# KiCad board TooManyKeys.kicad_pcb
title: toomanykeys; date: 2025-06-06; rev: 0.1; company: huntercook
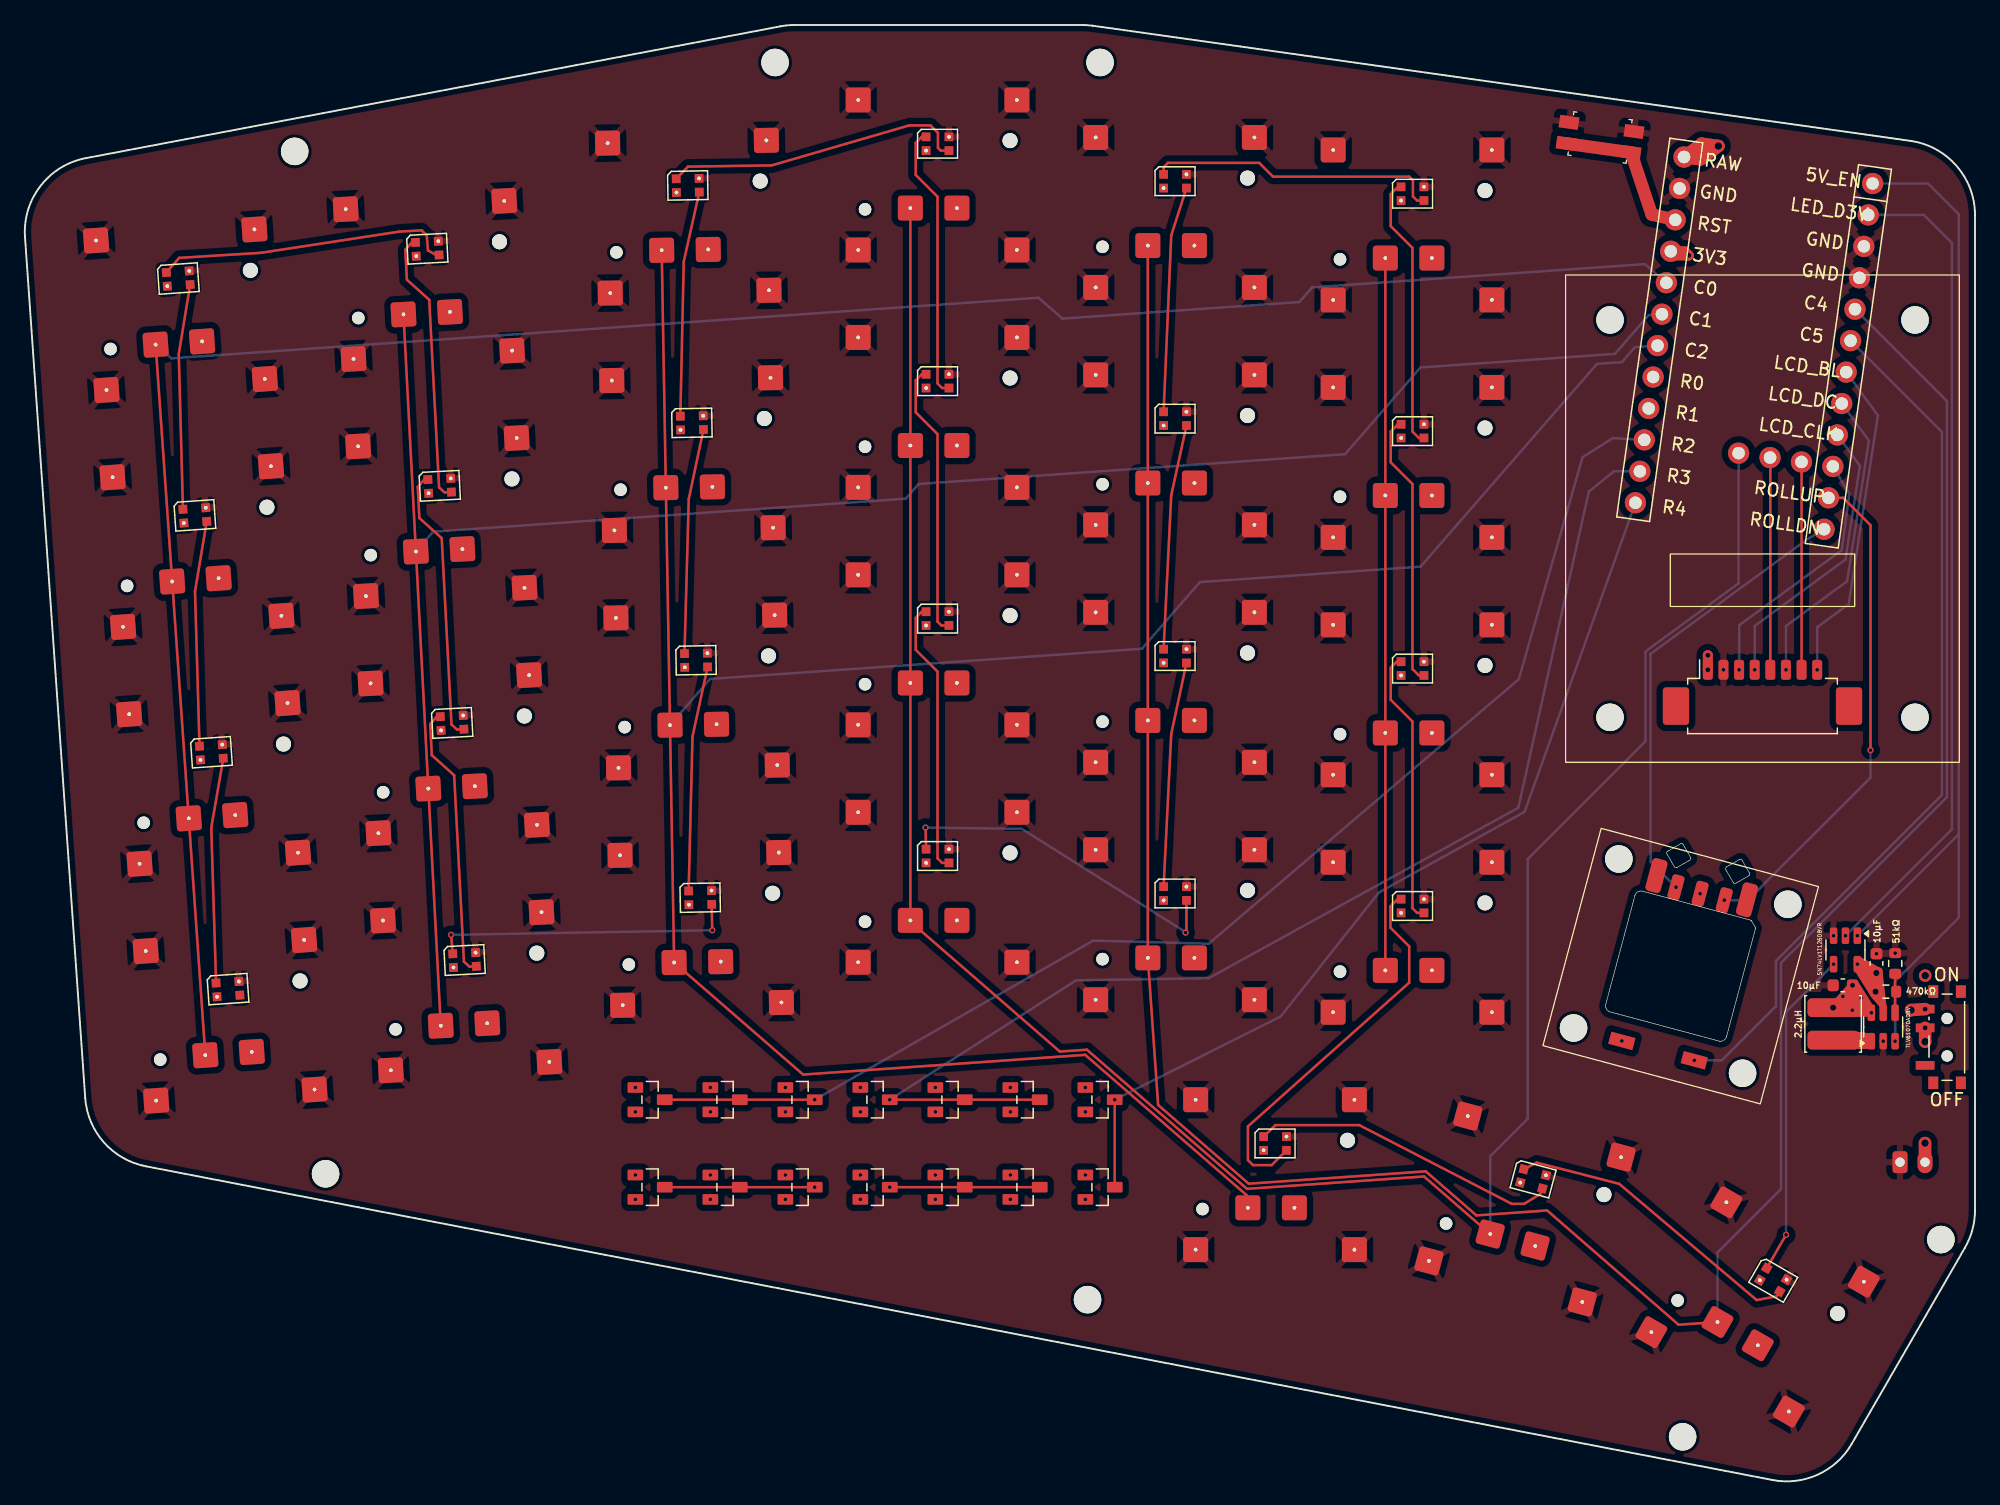
[diagram p0: board, top side]
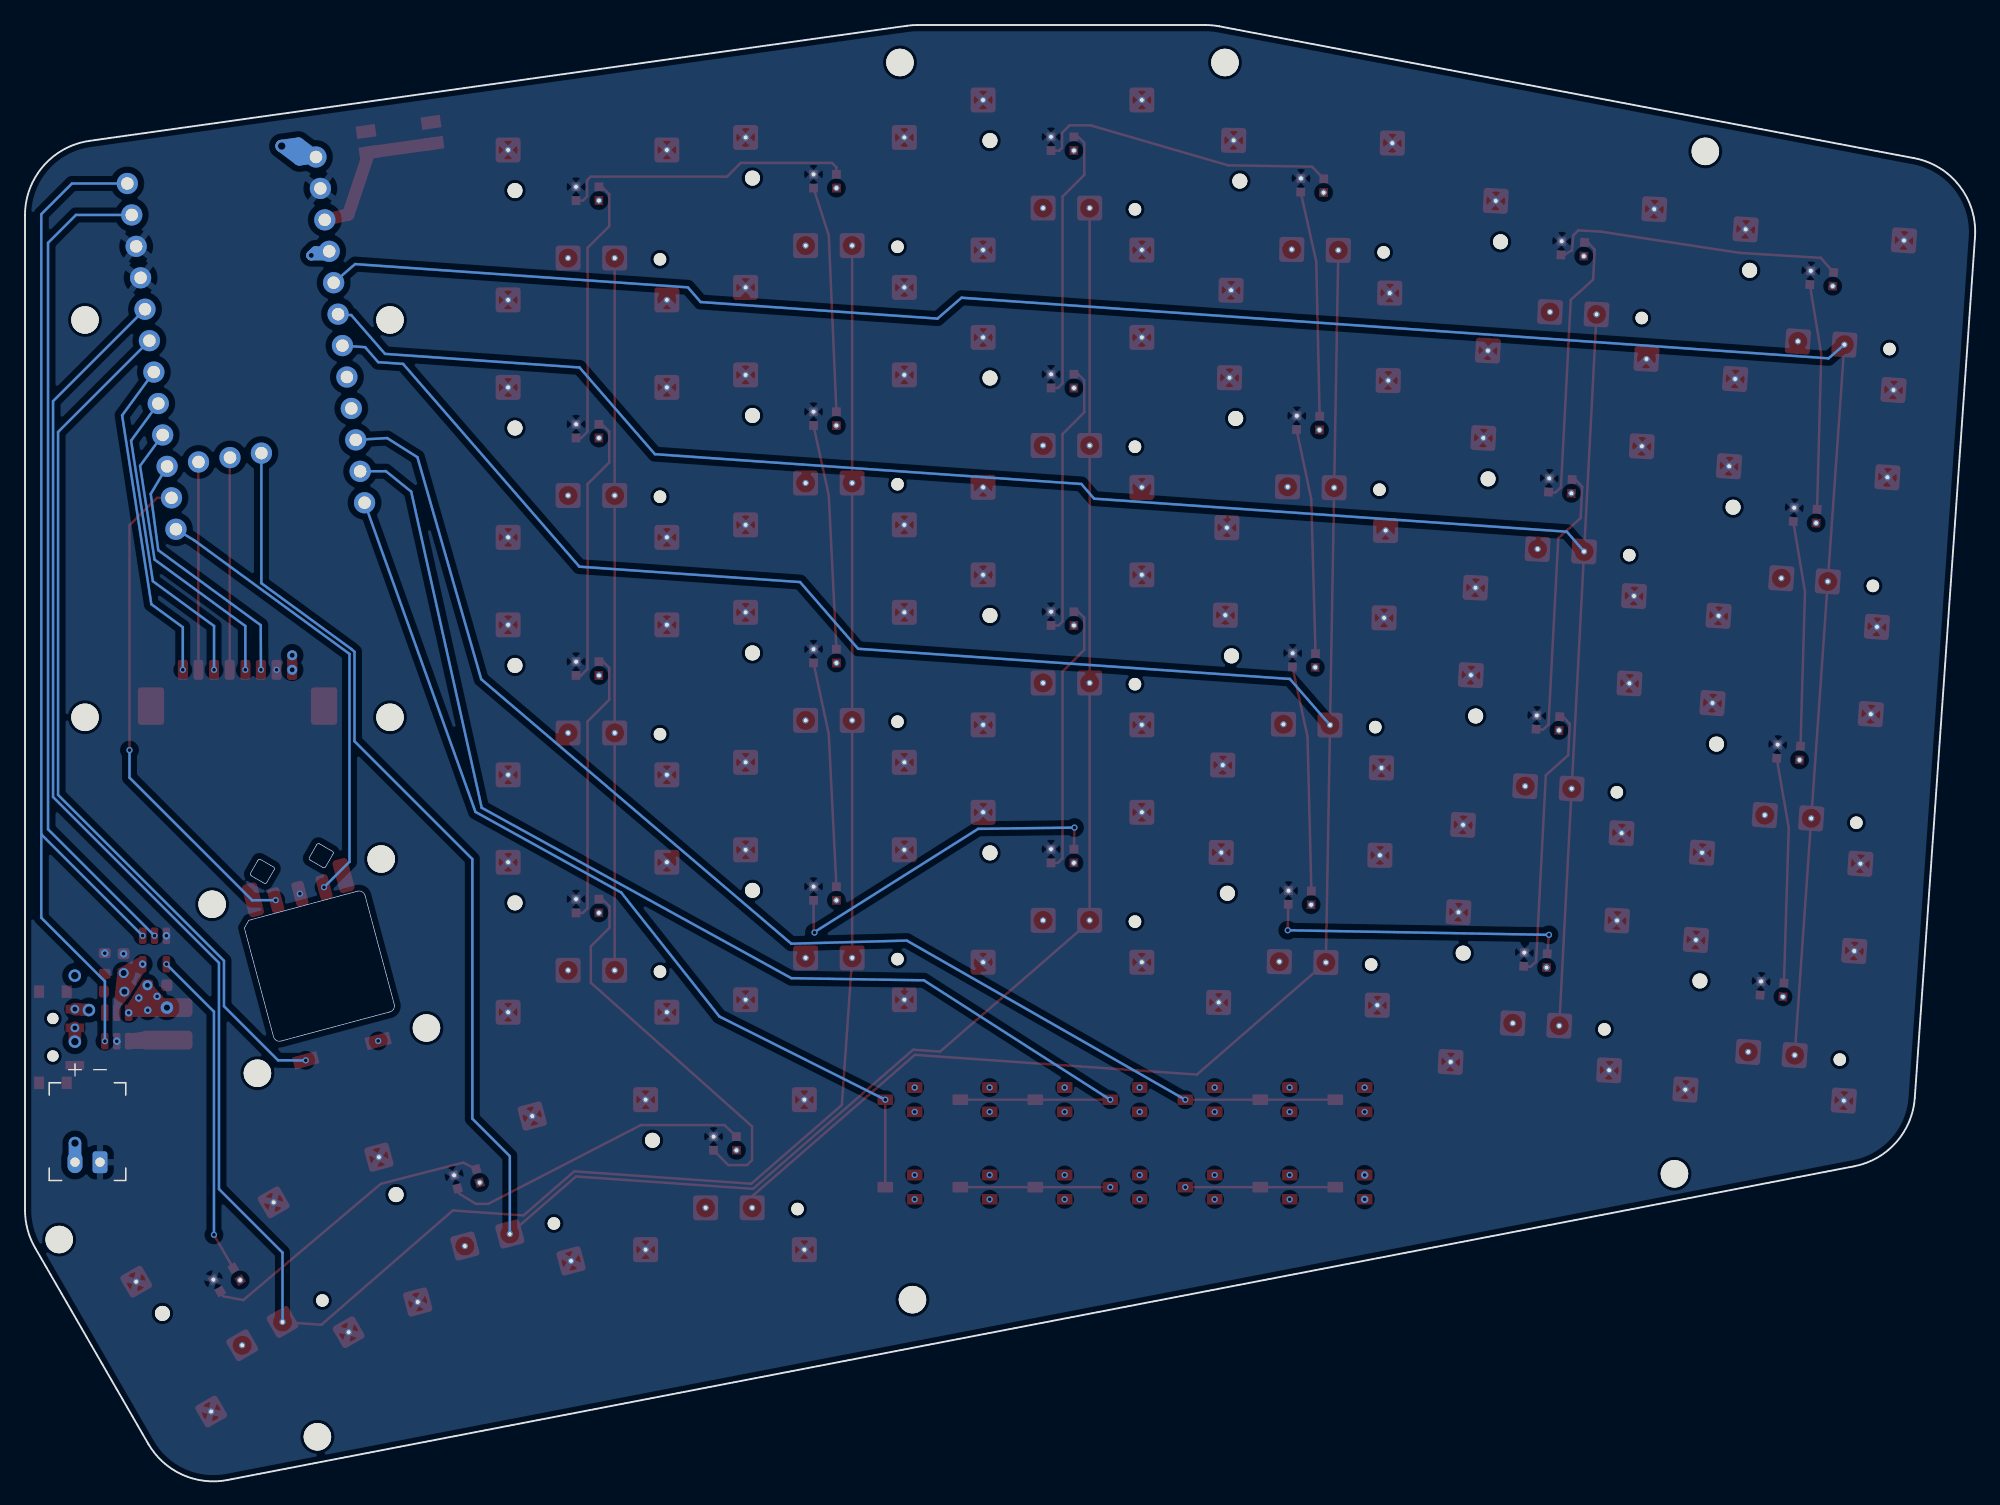
[diagram p1: board, bottom side, seen from below]

Outline 156.02 x 116.54 mm; copper layers: Top, In1.Cu, In2.Cu, In3.Cu, In4.Cu, Bottom. Coordinates in mm from the lower left corner of the outline.
Outline path: 0.01,99.57 arc(1.25,103.66) 4.88,105.89 60.47,116.44 arc(61.02,116.52) 61.58,116.54 84.6,116.54 arc(85.02,116.53) 85.44,116.48 150.86,107.27 arc(154.55,105.26) 156.02,101.33 156.02,21.7 arc(155.82,20.15) 155.22,18.7 146.16,3 arc(143.45,0.54) 139.82,0.11 9.68,25.21 arc(6.33,27.13) 4.83,30.69 0.01,99.57
Stack: Top 0.035mm / dielectric 0.1mm FR4 er 4.5 / In1.Cu 0.035mm / dielectric 0.535mm FR4 er 4.5 / In2.Cu 0.035mm / dielectric 0.1mm FR4 er 4.5 / In3.Cu 0.035mm / dielectric 0.535mm FR4 er 4.5 / In4.Cu 0.035mm / dielectric 0.1mm FR4 er 4.5 / Bottom 0.035mm

## Placement (name value [footprint] x y rotation side)
C1  10μF  [C_0603_1608Metric]  145.45 39.7 180 top
C2  10μF  [C_0603_1608Metric]  148.14 41.44 90 top
CONN1  -  [Molex_PicoBlade_53261-0871_1x08-1MP_P1.25mm_Horizontal]  139.02 62.54 0 top
D1  BAV70  [BAV70 SOT23]  50.02 23.54 270 top
D2  BAV70  [BAV70 SOT23]  56.02 23.54 270 top
D3  BAV70  [BAV70 SOT23]  62.02 23.54 270 top
D4  BAV70  [BAV70 SOT23]  68.02 23.54 270 top
D5  BAV70  [BAV70 SOT23]  74.02 23.54 270 top
D6  BAV70  [BAV70 SOT23]  80.02 23.54 270 top
D7  BAV70  [BAV70 SOT23]  50.02 30.54 270 top
D8  BAV70  [BAV70 SOT23]  56.02 30.54 270 top
D9  BAV70  [BAV70 SOT23]  62.02 30.54 270 top
D10  BAV70  [BAV70 SOT23]  68.02 30.54 270 top
D11  BAV70  [BAV70 SOT23]  74.02 30.54 270 top
D12  BAV70  [BAV70 SOT23]  80.02 30.54 270 top
D13  BAV70  [BAV70 SOT23]  86.02 30.54 270 top
D14  BAV70  [BAV70 SOT23]  86.02 23.54 270 top
JST1  -  [battery_connector_jst_ph_2]  151.02 25.54 180 bottom
L1  2.2μH  [L_CJIANG_FTC404030S_4.1x4.1x3.0_SMD]  144.67 36.61 270 top
LCD1  -  [LCD_1.69_Waveshare]  139.02 77.04 180 top
LED1  -  [LED_WS2812B-2020_PLCC4_2.0x2.0mm#3]  16.25 39.39 4 top
LED2  -  [LED_WS2812B-2020_PLCC4_2.0x2.0mm#3]  14.93 58.35 4 top
LED3  -  [LED_WS2812B-2020_PLCC4_2.0x2.0mm#3]  13.6 77.3 4 top
LED4  -  [LED_WS2812B-2020_PLCC4_2.0x2.0mm#3]  12.28 96.25 4 top
LED5  -  [LED_WS2812B-2020_PLCC4_2.0x2.0mm]  35.18 41.72 3 top
LED6  -  [LED_WS2812B-2020_PLCC4_2.0x2.0mm]  34.19 60.69 3 top
LED7  -  [LED_WS2812B-2020_PLCC4_2.0x2.0mm]  33.19 79.67 3 top
LED8  -  [LED_WS2812B-2020_PLCC4_2.0x2.0mm]  32.2 98.64 3 top
LED9  -  [LED_WS2812B-2020_PLCC4_2.0x2.0mm#3]  54.03 46.71 1 top
LED10  -  [LED_WS2812B-2020_PLCC4_2.0x2.0mm#3]  53.7 65.71 1 top
LED11  -  [LED_WS2812B-2020_PLCC4_2.0x2.0mm#3]  53.37 84.7 1 top
LED12  -  [LED_WS2812B-2020_PLCC4_2.0x2.0mm#3]  53.04 103.7 1 top
LED13  -  [LED_WS2812B-2020_PLCC4_2.0x2.0mm]  73.02 50.04 0 top
LED14  -  [LED_WS2812B-2020_PLCC4_2.0x2.0mm]  73.02 69.04 0 top
LED15  -  [LED_WS2812B-2020_PLCC4_2.0x2.0mm]  73.02 88.04 0 top
LED16  -  [LED_WS2812B-2020_PLCC4_2.0x2.0mm]  73.02 107.04 0 top
LED17  -  [LED_WS2812B-2020_PLCC4_2.0x2.0mm]  92.02 47.04 0 top
LED18  -  [LED_WS2812B-2020_PLCC4_2.0x2.0mm]  92.02 66.04 0 top
LED19  -  [LED_WS2812B-2020_PLCC4_2.0x2.0mm]  92.02 85.04 0 top
LED20  -  [LED_WS2812B-2020_PLCC4_2.0x2.0mm]  92.02 104.04 0 top
LED21  -  [LED_WS2812B-2020_PLCC4_2.0x2.0mm]  111.02 46.04 0 top
LED22  -  [LED_WS2812B-2020_PLCC4_2.0x2.0mm]  111.02 65.04 0 top
LED23  -  [LED_WS2812B-2020_PLCC4_2.0x2.0mm]  111.02 84.04 0 top
LED24  -  [LED_WS2812B-2020_PLCC4_2.0x2.0mm]  111.02 103.04 0 top
LED25  -  [LED_WS2812B-2020_PLCC4_2.0x2.0mm]  100.02 27.04 0 top
LED26  -  [LED_WS2812B-2020_PLCC4_2.0x2.0mm#2]  120.67 24.21 345 top
LED27  -  [LED_WS2812B-2020_PLCC4_2.0x2.0mm#2]  139.88 16.12 330 top
MCU1  -  [mcu_nice_nano]  138.52 92.34 352 top
MH1  -  [mounting_hole_npth]  21.59 106.43 4 top
MH2  -  [mounting_hole_npth]  24.06 24.61 3 top
MH3  -  [mounting_hole_npth]  60.02 113.54 0 top
MH4  -  [mounting_hole_npth]  86.02 113.54 0 top
MH5  -  [mounting_hole_npth]  85.02 14.54 0 top
MH6  -  [mounting_hole_npth]  132.63 3.57 330 top
MH7  -  [mounting_hole_npth]  153.29 19.35 330 top
PWR1  -  [power_switch_smd_side]  153.76 35.54 0 top
R1  470kΩ  [R_0603_1608Metric]  148.89 39.19 0 top
R2  51kΩ  [R_0603_1608Metric]  149.64 41.44 90 top
RE1  -  [CKW12]  132.48 41.23 75 top
RST1  -  [reset_switch_smd_side]  126.02 107.54 352 top
S1  -  [PG1316S#3]  16.43 36.9 4 top
S2  -  [PG1316S#3]  15.1 55.85 4 top
S3  -  [PG1316S#3]  13.78 74.81 4 top
S4  -  [PG1316S#3]  12.45 93.76 4 top
S5  -  [PG1316S#2]  35.31 39.22 3 top
S6  -  [PG1316S#2]  34.32 58.2 3 top
S7  -  [PG1316S#2]  33.32 77.17 3 top
S8  -  [PG1316S#2]  32.33 96.14 3 top
S9  -  [PG1316S#4]  54.08 44.21 1 top
S10  -  [PG1316S#4]  53.74 63.21 1 top
S11  -  [PG1316S#4]  53.41 82.21 1 top
S12  -  [PG1316S#4]  53.08 101.2 1 top
S13  -  [PG1316S]  73.02 47.54 0 top
S14  -  [PG1316S]  73.02 66.54 0 top
S15  -  [PG1316S]  73.02 85.54 0 top
S16  -  [PG1316S]  73.02 104.54 0 top
S17  -  [PG1316S]  92.02 44.54 0 top
S18  -  [PG1316S]  92.02 63.54 0 top
S19  -  [PG1316S]  92.02 82.54 0 top
S20  -  [PG1316S]  92.02 101.54 0 top
S21  -  [PG1316S]  111.02 43.54 0 top
S22  -  [PG1316S]  111.02 62.54 0 top
S23  -  [PG1316S]  111.02 81.54 0 top
S24  -  [PG1316S]  111.02 100.54 0 top
S25  -  [PG1316S]  100.02 24.54 0 top
S26  -  [PG1316S]  120.02 21.79 345 top
S27  -  [PG1316S#5]  138.63 13.96 330 top
U1  TLV61070ADBV  [SOT-23-6]  148.68 36.36 90 top
U2  SN74LV1T126DBVR  [SOT-23-5]  145.66 42.53 270 top

## Library data of the parts
C1 C2 = -: Description: Unpolarized capacitor
L1 = -: Description: Inductor
R1 R2 = -: Description: Resistor
U1 = -: Datasheet: https://www.ti.com/lit/ds/symlink/tlv61070a.pdf; Description: Boost Converter, 2.5A switch current limit, 2.2-5.5V Output Voltage, 0.5-5.5V Input Voltage, SOT-23-6
U2 = -: Datasheet: http://www.ti.com/lit/ds/symlink/sn74lvc1g125.pdf; Description: Single Buffer Gate Tri-State, Low-Voltage CMOS, SOT-23-5

## Footprints (pads in the part's own frame, mm; a bottom-side part is the same pattern mirrored in y, then rotated)
battery_connector_jst_ph_2
  rrect 1.2x1.75 hole 0.75: 1(1,0)
  oval 1.2x1.75 hole 0.75: 2(-1,0)
BAV70 SOT23
  rrect 0.85x1.25 smd: 1(-0.975,-1.175) 2(0.975,-1.175) 3(0,1.175)
C_0603_1608Metric
  rrect 0.9x0.95 smd: 1(-0.775,0) 2(0.775,0)
CKW12
  round 2.2 hole 2.2 unplated: (-7,-7) (-7,7) (7,-7) (7,7)
  rrect 2.7x1.25 smd: (6.5,3.75) (6.5,-3.75)
  rrect 2x1 smd: A(6,-2) B(6,0) C(6,2)
  rect 1x2 smd: S1(-7,-3) S2(-7,3)
L_CJIANG_FTC404030S_4.1x4.1x3.0_SMD
  rrect 1.5x4.1 smd: 1(-1.3,0) 2(1.3,0)
LCD_1.69_Waveshare
  round 2.2 hole 2.2 unplated: (-12.2,-15.9) (-12.2,15.9) (12.2,-15.9) (12.2,15.9)
LED_WS2812B-2020_PLCC4_2.0x2.0mm
  rect 0.7x0.7 smd: 1(-0.915,0.55) 2(-0.915,-0.55) 3(0.915,-0.55) 4(0.915,0.55)
  round 0.5 hole 0.3: 2(-0.915,-0.55) 4(0.915,0.55)
LED_WS2812B-2020_PLCC4_2.0x2.0mm#2
  rect 0.7x0.7 smd: 1(-0.915,0.55) 2(-0.915,-0.55) 3(0.915,-0.55) 4(0.915,0.55)
  round 0.5 hole 0.3: 2(-0.915,-0.55) 4(0.915,0.55)
LED_WS2812B-2020_PLCC4_2.0x2.0mm#3
  rect 0.7x0.7 smd: 1(-0.915,0.55) 2(-0.915,-0.55) 3(0.915,-0.55) 4(0.915,0.55)
  round 0.5 hole 0.3: 2(-0.915,-0.55) 4(0.915,0.55)
mcu_nice_nano
  round 1.7 hole 1: 1(7.62,12.7) 2(7.62,10.16) 3(7.62,7.62) 4(7.62,5.08) 5(7.62,2.54) 6(7.62,0) 7(7.62,-2.54) 8(7.62,-5.08) 9(7.62,-7.62) 10(7.62,-10.16) 11(7.62,-12.7) 12(7.62,-15.24) 13(-7.62,-15.24) 14(-7.62,-12.7) 15(-7.62,-10.16) 16(-7.62,-7.62) 17(-7.62,-5.08) 18(-7.62,-2.54) 19(-7.62,0) 20(-7.62,2.54) 21(-7.62,5.08) 22(-7.62,7.62) 23(-7.62,10.16) 24(-7.62,12.7) 25(5.08,-10.16) 26(2.54,-10.16) 27(0,-10.16)
Molex_PicoBlade_53261-0871_1x08-1MP_P1.25mm_Horizontal
  rrect 0.8x1.6 smd: 1(-4.375,2.4) 2(-3.125,2.4) 3(-1.875,2.4) 4(-0.625,2.4) 5(0.625,2.4) 6(1.875,2.4) 7(3.125,2.4) 8(4.375,2.4)
  rrect 2.1x3 smd: MP(-6.925,-0.5) MP(6.925,-0.5)
mounting_hole_npth
  round 2.2 hole 2.2 unplated: (0,0)
PG1316S
  round 0.5 hole 0.3: (-6.35,-6) (-6.35,6) (-2.175,-2.65) (1.55,-2.65) (6.35,-6) (6.35,6)
  round 1 hole 1 unplated: (-5.8,-2.75)
  round 1.2 hole 1.2 unplated: (5.8,2.75)
  rrect 2x2 smd: 1(-2.175,-2.65) 2(1.55,-2.65) 3(-6.35,-6) 3(-6.35,6) 3(6.35,-6) 3(6.35,6)
PG1316S#2
  round 0.5 hole 0.3: (-6.35,-6) (-6.35,6) (-2.175,-2.65) (1.55,-2.65) (6.35,-6) (6.35,6)
  round 1 hole 1 unplated: (-5.8,-2.75)
  round 1.2 hole 1.2 unplated: (5.8,2.75)
  rrect 2x2 smd: 1(-2.175,-2.65) 2(1.55,-2.65) 3(-6.35,-6) 3(-6.35,6) 3(6.35,-6) 3(6.35,6)
PG1316S#3
  round 0.5 hole 0.3: (-6.35,-6) (-6.35,6) (-2.175,-2.65) (1.55,-2.65) (6.35,-6) (6.35,6)
  round 1 hole 1 unplated: (-5.8,-2.75)
  round 1.2 hole 1.2 unplated: (5.8,2.75)
  rrect 2x2 smd: 1(-2.175,-2.65) 2(1.55,-2.65) 3(-6.35,-6) 3(-6.35,6) 3(6.35,-6) 3(6.35,6)
PG1316S#4
  round 0.5 hole 0.3: (-6.35,-6) (-6.35,6) (-2.175,-2.65) (1.55,-2.65) (6.35,-6) (6.35,6)
  round 1 hole 1 unplated: (-5.8,-2.75)
  round 1.2 hole 1.2 unplated: (5.8,2.75)
  rrect 2x2 smd: 1(-2.175,-2.65) 2(1.55,-2.65) 3(-6.35,-6) 3(-6.35,6) 3(6.35,-6) 3(6.35,6)
PG1316S#5
  round 0.5 hole 0.3: (-6.35,6) (-6.35,-6) (-2.175,-2.65) (1.55,-2.65) (6.35,6) (6.35,-6)
  round 1 hole 1 unplated: (-5.8,-2.75)
  round 1.2 hole 1.2 unplated: (5.8,2.75)
  rrect 2x2 smd: 1(-2.175,-2.65) 2(1.55,-2.65) 3(-6.35,6) 3(-6.35,-6) 3(6.35,6) 3(6.35,-6)
power_switch_smd_side
  rect 0.8x1 smd: (-1.085,-3.65) (-1.085,3.65) (1.125,3.65) (1.125,-3.65)
  round 0.9 hole 0.9 unplated: (0.025,1.5) (0.025,-1.5)
  rect 1.5x0.7 smd: 1(-1.735,-2.25) 2(-1.735,0.75) 3(-1.735,2.25)
R_0603_1608Metric
  rrect 0.8x0.95 smd: 1(-0.825,0) 2(0.825,0)
reset_switch_smd_side
  rect 1.55x1 smd: 1(2.625,0.85) 2(2.625,-0.85) 3(-2.625,0.85) 4(-2.625,-0.85)
SOT-23-5
  rrect 1.325x0.6 smd: 1(-1.137,0.95) 2(-1.137,0) 3(-1.138,-0.95) 4(1.137,-0.95) 5(1.138,0.95)
SOT-23-6
  rrect 1.325x0.6 smd: 1(-1.137,0.95) 2(-1.137,0) 3(-1.138,-0.95) 4(1.137,-0.95) 5(1.137,0) 6(1.138,0.95)

## Nets
3V3: CONN1.1 MCU1.21
5V: C2.1 LED1.2 LED2.2 LED3.2 LED4.2 LED5.2 LED6.2 LED7.2 LED8.2 LED9.2 LED10.2 LED11.2 LED12.2 LED13.2 LED14.2 LED15.2 LED16.2 LED17.2 LED18.2 LED19.2 LED20.2 LED21.2 LED22.2 LED23.2 LED24.2 LED25.2 LED26.2 LED27.2 R1.1 U1.5 U2.5
5V_EN: MCU1.1 U1.3 U2.1
GND: C1.2 C2.2 CONN1.2 JST1.1 LED1.4 LED2.4 LED3.4 LED4.4 LED5.4 LED6.4 LED7.4 LED8.4 LED9.4 LED10.4 LED11.4 LED12.4 LED13.4 LED14.4 LED15.4 LED16.4 LED17.4 LED18.4 LED19.4 LED20.4 LED21.4 LED22.4 LED23.4 LED24.4 LED25.4 LED26.4 LED27.4 MCU1.3 MCU1.4 MCU1.23 R2.2 RE1.B RST1.1 RST1.3 S1.3 S2.3 S3.3 S4.3 S5.3 S6.3 S7.3 S8.3 S9.3 S10.3 S11.3 S12.3 S13.3 S14.3 S15.3 S16.3 S17.3 S18.3 S19.3 S20.3 S21.3 S22.3 S23.3 S24.3 S25.3 S26.3 S27.3 U1.2 U2.3
BAT_P: JST1.2 PWR1.2
BOOST_FB: R1.2 R2.1 U1.4
BOOST_SW: L1.2 U1.1
C0: MCU1.20 S1.1 S2.1 S3.1 S4.1
C0|GND|finger_outer_bottom: S1.
C0|GND|finger_outer_home: S2.
C0|GND|finger_outer_num: S4.
C0|GND|finger_outer_top: S3.
C1: MCU1.19 S5.1 S6.1 S7.1 S8.1
C1|GND|finger_pinky_bottom: S5.
C1|GND|finger_pinky_home: S6.
C1|GND|finger_pinky_num: S8.
C1|GND|finger_pinky_top: S7.
C2: MCU1.18 S9.1 S10.1 S11.1 S12.1 S25.1
C2|GND|finger_ring_bottom: S9.
C2|GND|finger_ring_home: S10.
C2|GND|finger_ring_num: S12.
C2|GND|finger_ring_top: S11.
C2|GND|thumb_near_fan: S25.
C3: MCU1.27 S13.1 S14.1 S15.1 S16.1 S26.1
C3|GND|finger_middle_bottom: S13.
C3|GND|finger_middle_home: S14.
C3|GND|finger_middle_num: S16.
C3|GND|finger_middle_top: S15.
C3|GND|thumb_mid_fan: S26.
C4: MCU1.5 S17.1 S18.1 S19.1 S20.1 S27.1
C4|GND|finger_index_bottom: S17.
C4|GND|finger_index_home: S18.
C4|GND|finger_index_num: S20.
C4|GND|finger_index_top: S19.
C4|GND|thumb_far_fan: S27.
C5: MCU1.6 RE1.S1 S21.1 S22.1 S23.1 S24.1
C5|GND|finger_inner_bottom: S21.
C5|GND|finger_inner_home: S22.
C5|GND|finger_inner_num: S24.
C5|GND|finger_inner_top: S23.
finger_index_bottom: D12.1 S17.2
finger_index_home: D9.1 S18.2
finger_index_num: D3.1 S20.2
finger_index_top: D6.1 S19.2
finger_inner_bottom: D12.2 S21.2
finger_inner_home: D9.2 S22.2
finger_inner_num: D3.2 S24.2
finger_inner_top: D6.2 S23.2
finger_middle_bottom: D11.1 S13.2
finger_middle_home: D8.2 S14.2
finger_middle_num: D2.2 S16.2
finger_middle_top: D5.2 S15.2
finger_outer_bottom: D10.2 S1.2
finger_outer_home: D7.1 S2.2
finger_outer_num: D1.1 S4.2
finger_outer_top: D4.1 S3.2
finger_pinky_bottom: D10.1 S5.2
finger_pinky_home: D7.2 S6.2
finger_pinky_num: D1.2 S8.2
finger_pinky_top: D4.2 S7.2
finger_ring_bottom: D11.2 S9.2
finger_ring_home: D8.1 S10.2
finger_ring_num: D2.1 S12.2
finger_ring_top: D5.1 S11.2
LCD_BL: CONN1.8 MCU1.7
LCD_CLK: CONN1.4 MCU1.9
LCD_CS: CONN1.5 MCU1.26
LCD_DC: CONN1.6 MCU1.8
LCD_DIN: CONN1.3 MCU1.10
LCD_RST: CONN1.7 MCU1.25
LED_1: LED26.1 LED27.3
LED_2: LED25.1 LED26.3
LED_3: LED21.1 LED25.3
LED_4: LED21.3 LED22.1
LED_5: LED22.3 LED23.1
LED_6: LED23.3 LED24.1
LED_7: LED20.1 LED24.3
LED_8: LED19.1 LED20.3
LED_9: LED18.1 LED19.3
LED_10: LED17.1 LED18.3
LED_11: LED13.1 LED17.3
LED_12: LED13.3 LED14.1
LED_13: LED14.3 LED15.1
LED_14: LED15.3 LED16.1
LED_15: LED12.1 LED16.3
LED_16: LED11.1 LED12.3
LED_17: LED10.1 LED11.3
LED_18: LED9.1 LED10.3
LED_19: LED5.1 LED9.3
LED_20: LED5.3 LED6.1
LED_21: LED6.3 LED7.1
LED_22: LED7.3 LED8.1
LED_23: LED4.1 LED8.3
LED_24: LED3.1 LED4.3
LED_25: LED2.1 LED3.3
LED_26: LED1.1 LED2.3
LED_27: LED1.3
LED_D3V: MCU1.2 U2.2
LED_D5V: LED27.1 U2.4
R0: D1.3 D2.3 D3.3 MCU1.17
R1: D4.3 D5.3 D6.3 MCU1.16
R2: D7.3 D8.3 D9.3 MCU1.15
R3: D10.3 D11.3 D12.3 MCU1.14
R4: D13.3 D14.3 MCU1.13
RAW: C1.1 L1.1 MCU1.24 PWR1.3 U1.6
ROLLDN: MCU1.12 RE1.C
roller: D13.1 RE1.S2
ROLLUP: MCU1.11 RE1.A
RST: MCU1.22 RST1.2 RST1.4
thumb_far_fan: D14.2 S27.2
thumb_mid_fan: D14.1 S26.2
thumb_near_fan: D13.2 S25.2

Pads without a net: CONN1 MP; PWR1 1

## Via types
v1: diameter 0.5, hole 0.3, Top to Bottom, 51 vias
v2: diameter 0.6, hole 0.3, Top to Bottom, 11 vias
v3: diameter 0.7, hole 0.4, Top to Bottom, 2 vias
v4: diameter 1, hole 0.6, Top to Bottom, 5 vias
v5: diameter 1, hole 0.5, Top to Bottom, 1 via
v6: diameter 0.8, hole 0.4, Top to Bottom, 4 vias
v7: diameter 0.8, hole 0.5, Top to Bottom, 2 vias

## Routing (per net, layer and track width the routed paths; a pad name or vN(x,y) marks a point on that pad's centre or on a via; arc(x,y) is an arc through that point)
3V3: length 79.8
  Top w0.8: v6(134.64,66.1) v6(134.64,64.94) ; 132.79,98.43 v6(133.12,98.1) 132.01,98.1 MCU1.21 132.79,98.43
  In2.Cu w0.8: v6(134.64,64.94) 134.64,96.58 132.79,98.43 MCU1.21
  In3.Cu w0.8: v6(134.64,64.94) v6(134.64,66.1) 134.64,96.58 v6(133.12,98.1) ; v6(133.12,98.1) 132.01,98.1 MCU1.21 132.79,98.43 v6(133.12,98.1)
  Bottom w0.8: MCU1.21 132.79,98.43 v6(133.12,98.1) 132.01,98.1 MCU1.21
5V: length 11.9
  Top w0.5: C2.1 v7(148.13,40.68) 147.93,40.88
  In2.Cu w1: v2(146.61,41.39) v7(148.07,39.19) v7(148.13,40.68) v2(146.61,41.39)
  In3.Cu w1: v7(148.13,40.68) v2(146.61,41.39) v7(148.07,39.19) v7(148.13,40.68)
5V_EN: length 87.7
  Bottom w0.2: MCU1.1 152.26,103.86 154.72,101.4 154.72,51.8 ; 154.72,51.8 154.72,51.77 v1(146.61,43.66) ; 154.72,51.8 154.72,45.1 149.63,40.01 v1(149.63,35.22)
GND:
  vias: v1(134.03,47.03) v1(135.89,64.94) v2(144.71,43.66) v2(148.14,42.22) v2(148.68,35.22) v2(149.64,42.27)
BAT_P: length 25.7
  Top w1: v4(152.02,27.07) JST1.2 ; v3(152.03,36.29) v4(152.03,35.19)
  In2.Cu w1: JST1.2 v4(152.02,27.07) v4(152.03,35.19) v3(152.03,36.29)
  In3.Cu w1: v3(152.03,36.29) JST1.2
  Bottom w1: v4(152.02,27.07) JST1.2
BOOST_FB: length 3.2
  Top w0.2: R2.1 149.63,40.61 U1.4
  Top w0.8: R2.1 149.68,40.58
C0: length 180.3
  Top w0.2: S4.1 S3.1 S2.1 S1.1
  Bottom w0.2: S4.1 11.73,89.87 81.09,94.72 83.01,93.05 101.97,94.37 102.99,95.55 129.61,97.41 MCU1.20
C1: length 162.7
  Top w0.2: S8.1 S7.1 S6.1 S5.1
  Bottom w0.2: MCU1.19 129.92,93.33 127.22,90.23 111.66,89.14 105.63,82.2 71.51,79.81 70.49,78.64 32.67,76 S7.1
C2: length 202.6
  Top w0.2: S25.1 97.78,22.88 84.83,34.13 62.26,32.55 S9.1 S10.1 S11.1 S12.1
  Bottom w0.2: MCU1.18 128.81,90.76 127.77,89.56 125.77,89.42 111.67,73.2 94.01,71.96 89.37,66.63 54.82,64.21 S10.1
C3: length 184.7
  Top w0.2: S26.1 111.94,24.4 97.78,23.41 84.97,34.54 82.81,34.39 70.85,44.78 S13.1 S14.1 S15.1 S16.1
  Bottom w0.2: MCU1.27 137.11,71.87 129.93,66.62 129.66,66.38 129.66,59.23 120.23,49.8 120.23,29.03 117.23,26.02 S26.1
C4: length 212.4
  Top w0.2: S27.1 132.31,12.53 121.79,21.68 116.13,21.28 112.07,24.81 97.91,23.82 90.67,30.12 S17.1 S18.1 S19.1 S20.1
  Bottom w0.2: MCU1.5 153.78,86.44 153.78,54.77 140.5,41.49 140.5,23.39 135.42,18.31 S27.1
C5: length 154.8
  Top w0.2: S24.1 S23.1 S22.1 S21.1
  In3.Cu w0.2: v1(133.56,33.69) 116.04,33.69 S21.1
  Bottom w0.2: v1(133.56,33.69) 135.77,33.69 140.1,38.03 140.1,41.66 153.37,54.93 153.37,83.97 MCU1.6
finger_index_bottom: length 18
  In2.Cu w0.2: S17.2 v1(78.84,31.52)
finger_index_home: length 172.4
  In3.Cu w0.2: v1(60.84,31.52) 56.6,26.63 31.6,24.88 25.98,29.76 14.94,28.99 12.57,31.05 10.7,57.74 13.39,60.43 27.09,60.43 29.39,62.73 43.79,62.73 48.69,67.63 62.69,67.63 65.89,70.83 81.66,70.83 84.56,67.93 86.53,67.93 S18.2
finger_index_num: length 225.7
  In3.Cu w0.2: S20.2 86.59,105.87 84.26,105.87 81.26,108.87 63.72,108.87 60.62,105.77 48.12,105.77 43.12,100.77 27.42,100.77 25.22,98.57 23.56,98.57 7.92,98.57 1.89,92.54 1.77,92.4 6.15,29.86 10.29,26.25 25.16,27.29 30.86,22.34 51.7,18.32 v1(60.84,24.52)
finger_index_top: length 224.5
  In2.Cu w0.2: v1(78.84,24.52) 65.66,15.59 30.86,22.29 25.16,27.25 10.29,26.21 6.06,29.89 3.02,73.32 3.06,73.36 9.22,79.53 26.32,79.53 28.52,81.73 43.52,81.73 48.52,86.73 55.66,86.73 61.02,86.73 64.12,89.83 77.56,89.83 81.49,89.83 84.39,86.93 86.54,86.93 S19.2
finger_inner_bottom: length 38.4
  In2.Cu w0.2: v1(78.84,29.57) 100.68,43.96 S21.2
finger_inner_home: length 192.5
  In3.Cu w0.2: v1(60.84,29.57) 58.03,26.33 31.46,24.47 25.84,29.35 14.8,28.58 12.18,30.86 10.29,57.89 10.33,57.93 13.23,60.83 26.93,60.83 29.23,63.13 43.63,63.13 48.53,68.03 62.53,68.03 65.73,71.23 81.83,71.23 84.73,68.33 99.03,68.33 100.13,67.23 105.23,67.23 S22.2
finger_inner_num: length 246.2
  In3.Cu w0.2: S24.2 105.19,105.27 99.76,105.27 98.76,106.27 84.56,106.27 81.56,109.27 63.56,109.27 60.46,106.17 47.96,106.17 42.96,101.17 27.26,101.17 25.06,98.97 7.76,98.97 1.36,92.57 5.76,29.66 10.15,25.84 25.02,26.88 30.67,21.96 53.47,17.57 v1(60.84,22.57)
finger_inner_top: length 245
  In2.Cu w0.2: v1(78.84,22.57) 67.43,14.84 30.68,21.92 25.02,26.83 10.16,25.79 5.67,29.69 2.86,69.89 2.61,73.48 2.66,73.53 9.06,79.93 26.16,79.93 28.36,82.13 43.36,82.13 48.36,87.13 60.86,87.13 63.96,90.23 81.66,90.23 84.56,87.33 98.86,87.33 99.96,86.23 105.24,86.23 S23.2
finger_middle_bottom: length 13.5
  In2.Cu w0.2: S13.2 v1(72.84,31.52)
finger_middle_home: length 141
  In3.Cu w0.2: v1(54.84,29.57) 52.39,26.74 31.73,25.29 26.12,30.17 15.08,29.4 12.96,31.24 11.11,57.59 13.56,60.03 27.26,60.03 29.56,62.33 43.96,62.33 48.86,67.23 71.23,67.23 S14.2
finger_middle_num: length 197.3
  In3.Cu w0.2: 54.7,22.47 v1(54.84,22.57) 54.83,22.51 49.79,19.1 31.04,22.71 28,25.35 25.29,27.7 10.43,26.67 6.53,30.05 2.18,92.27 2.19,92.27 3.58,93.66 8.09,98.17 25.39,98.17 27.59,100.37 43.29,100.37 48.29,105.37 60.79,105.37 63.89,108.47 67.99,108.47 S16.2
finger_middle_top: length 195.9
  In2.Cu w0.2: S15.2 68.04,89.42 64.29,89.42 61.19,86.32 48.69,86.32 43.69,81.32 28.69,81.32 26.49,79.12 9.39,79.12 3.52,73.26 3.44,73.16 6.45,30.08 10.43,26.62 25.29,27.66 30.88,22.8 31.04,22.66 63.7,16.37 v1(72.84,22.57)
finger_outer_bottom: length 53.8
  In2.Cu w0.2: v1(66.84,29.57) 64.44,26.8 31.38,24.49 25.85,29.3 24.12,29.18 S1.2
finger_outer_home: length 59.1
  In3.Cu w0.2: S2.2 12.93,48.83 13.79,36.58 18.59,32.41 24.88,32.85 32.15,26.53 45.31,27.45 v1(48.84,31.52)
finger_outer_num: length 118.2
  In3.Cu w0.2: v2(48.84,24.52) 44.23,21.39 31.58,23.83 25.71,28.94 10.84,27.9 7.7,30.63 3.42,91.8 4.09,92.47 12.93,92.47 S4.2
finger_outer_top: length 118.5
  In2.Cu w0.2: S3.2 14.05,73.73 5.69,73.73 4.67,72.71 7.62,30.66 10.84,27.85 25.71,28.89 31.58,23.78 58.19,18.66 v1(66.84,24.52)
finger_pinky_bottom: length 35.8
  In2.Cu w0.2: S5.2 49.1,26.13 63.01,27.1 v1(66.84,31.52)
finger_pinky_home: length 86.5
  In3.Cu w0.2: v1(48.84,29.57) 46.74,27.15 32.01,26.12 29.36,28.42 24.74,32.44 15.12,31.76 14.59,32.23 14.59,32.23 13.63,33.06 12.19,53.75 13.12,54.82 14.73,54.93 26.03,54.93 29.13,58.03 33.6,58.03 S6.2
finger_pinky_num: length 140.8
  In3.Cu w0.2: v2(48.84,22.57) 46.01,20.65 31.4,23.46 25.57,28.53 10.71,27.49 7.31,30.44 6.05,48.51 3.01,91.96 3.93,92.87 24.03,92.87 27.12,95.97 31.62,95.97 S8.2
finger_pinky_top: length 140.5
  In2.Cu w0.2: S7.2 32.69,76.93 26.86,76.93 24.06,74.13 5.52,74.13 4.34,72.94 4.26,72.85 7.23,30.47 10.71,27.44 25.57,28.48 31.4,23.41 59.97,17.91 v1(66.84,22.57)
finger_ring_bottom: length 21.8
  In2.Cu w0.2: v1(72.84,29.57) 58.77,41.8 S9.2
finger_ring_home: length 114.9
  In3.Cu w0.2: S10.2 53.19,58.43 39.93,58.43 28.96,58.43 25.86,55.34 14.33,55.34 12.95,55.24 11.78,53.89 13.35,31.44 15.21,29.81 26.26,30.59 31.87,25.71 50.95,27.04 v1(54.84,31.52)
finger_ring_num: length 169.7
  In3.Cu w0.2: S12.2 52.47,96.37 26.96,96.37 23.86,93.28 3.76,93.28 2.6,92.11 6.92,30.25 8.7,28.7 10.57,27.08 25.43,28.12 31.22,23.08 48,19.85 54.84,24.48 v1(54.84,24.52) 54.82,24.38
finger_ring_top: length 168.7
  In2.Cu w0.2: S11.2 52.75,77.33 43.66,77.33 26.69,77.33 23.89,74.53 23.36,74.53 5.36,74.53 3.96,73.13 3.85,73 6.84,30.27 10.57,27.03 25.43,28.07 31.22,23.04 61.93,17.12 v1(72.84,24.52)
LCD_BL: length 26.1
  Bottom w0.2: v1(143.39,64.94) 143.39,68.35 145.91,70.19 148.25,85.3 MCU1.7
LCD_CLK: length 23.2
  Bottom w0.2: v1(138.39,64.94) 138.39,68.45 145.65,73.76 146.81,81.26 MCU1.9
LCD_CS: length 17
  Top w0.2: CONN1.5 139.64,81.9 MCU1.26
LCD_DC: length 24.6
  Bottom w0.2: v1(140.89,64.94) 140.89,68.45 145.79,72.03 147.53,83.28 MCU1.8
LCD_DIN: length 20.8
  Bottom w0.2: v1(137.14,64.94) 137.16,68.52 145.36,74.52 145.96,79.02 MCU1.10
LCD_RST: length 16.6
  Top w0.2: MCU1.25 142.14,81.57 CONN1.7
LED_1: length 24.5
  Top w0.2: LED27.3 140.15,14.81 138.55,14.51 127.55,23.81 120.95,25.51 LED26.1
LED_2: length 24.7
  Top w0.2: LED25.1 100.05,28.51 106.75,28.51 118.95,22.21 119.95,22.21 121.25,23.01 LED26.3
LED_3: length 31.5
  Top w0.2: LED25.3 99.75,25.31 98.25,25.31 97.85,25.71 97.85,28.41 110.75,39.91 110.75,42.81 109.25,44.31 109.25,46.01 109.84,46.59 LED21.1
LED_4: length 22.1
  Top w0.2: LED21.3 111.38,45.49 111.02,45.86 111.02,60.8 109.28,62.54 109.28,65.11 109.76,65.59 LED22.1
LED_5: length 21.9
  Top w0.2: LED23.1 109.86,84.59 109.28,84.01 109.28,81.54 111.02,79.8 111.02,65 111.53,64.49 LED22.3
LED_6: length 21.9
  Top w0.2: LED24.1 109.86,103.59 109.28,103.01 109.28,100.44 111.02,98.7 111.02,84 111.53,83.49 LED23.3
LED_7: length 23.5
  Top w0.2: LED20.1 91.1,105.16 91.45,105.51 98.75,105.51 99.85,104.41 110.75,104.41 111.05,104.11 111.05,102.82 111.38,102.49 LED24.3
LED_8: length 18.1
  Top w0.2: LED20.3 91.72,99.7 LED19.1
LED_9: length 18
  Top w0.2: LED18.1 91.72,78.9 LED19.3
LED_10: length 18
  Top w0.2: LED17.1 91.72,59.8 LED18.3
LED_11: length 27.5
  Top w0.2: v1(92.86,43.92) 92.93,43.99 LED17.3 ; v1(72.06,52.32) LED13.1
  Bottom w0.2: v1(92.86,43.92) 92.76,44.02 79.76,52.22 v1(72.06,52.32)
LED_12: length 22.1
  Top w0.2: LED13.3 73.38,49.49 73.02,49.86 73.02,64.8 71.28,66.54 71.28,69.11 71.76,69.59 LED14.1
LED_13: length 22.1
  Top w0.2: LED14.3 73.33,68.49 73.02,68.8 73.02,83.8 71.28,85.54 71.28,88.11 71.76,88.59 LED15.1
LED_14: length 22.1
  Top w0.2: LED15.3 73.38,87.49 73.02,87.86 73.02,102.8 71.28,104.54 71.28,107.11 71.76,107.59 LED16.1
LED_15: length 24.2
  Top w0.2: LED16.3 73.27,106.49 73.05,106.71 73.05,107.91 72.45,108.51 70.75,108.51 59.75,105.31 53.05,105.21 LED12.1
LED_16: length 18.1
  Top w0.2: LED12.3 52.72,97.6 LED11.1
LED_17: length 18.1
  Top w0.2: LED11.3 53.12,78.6 LED10.1
LED_18: length 18.1
  Top w0.2: LED10.3 53.42,59.6 LED9.1
LED_19: length 24.5
  Top w0.2: LED9.3 54.99,44.1 v1(55,44.1) ; LED5.1 v1(34.1,43.74)
  Bottom w0.2: v1(55,44.1) v1(34.1,43.74)
LED_20: length 22.1
  Top w0.2: LED5.3 35.57,41.19 35.13,41.59 34.35,56.5 32.56,58.11 32.43,60.61 32.94,61.18 LED6.1
LED_21: length 22.1
  Top w0.2: LED6.3 34.58,60.16 34.14,60.56 33.35,75.48 31.57,77.08 31.44,79.58 31.95,80.15 LED7.1
LED_22: length 22.1
  Top w0.2: LED8.1 30.96,99.13 30.44,98.56 30.57,96.16 32.35,94.55 33.14,79.54 33.58,79.14 LED7.3
LED_23: length 23.9
  Top w0.2: LED4.1 12.35,97.91 18.85,98.31 29.95,100.01 31.75,100.11 32.15,99.71 32.25,98.51 32.95,98.11 LED8.3
LED_24: length 18.1
  Top w0.2: LED3.1 12.32,90.2 LED4.3
LED_25: length 18.1
  Top w0.2: LED3.3 13.62,71.2 LED2.1
LED_26: length 18.1
  Top w0.2: LED1.1 14.92,52.3 LED2.3
LED_D3V: length 66.6
  Bottom w0.2: MCU1.2 151.94,101.34 154.18,99.11 154.18,52.18 v1(145.66,43.66)
LED_D5V: length 26.3
  Top w0.2: LED27.1 v1(140.9,19.73)
  Bottom w0.2: v1(144.71,41.39) 140.9,37.58 v1(140.9,19.73)
R0: length 115.3
  Top w0.2: D1.3 v1(63.19,23.54)
  In3.Cu w0.2: v1(63.19,23.54) 76.19,30.18 89.57,51.17 117.54,59.37 121.78,83.38 126.73,87.88 MCU1.17
R1: length 108
  Top w0.2: v1(69.19,23.54) D6.3
  In3.Cu w0.2: MCU1.16 126.86,85.74 123.41,83.26 118.08,59.02 89.91,50.72 76.68,29.6 v1(69.19,23.54)
R2: length 103.4
  Top w0.2: v1(63.19,30.54) D7.3
  Bottom w0.2: MCU1.15 127.04,83.49 124.62,81.96 119.52,64.2 94.71,43.03 85.47,43.28 v1(63.19,30.54)
R3: length 99.2
  Top w0.2: D12.3 v1(69.19,30.54)
  Bottom w0.2: MCU1.14 127.14,80.84 125.12,79.21 119.48,53.91 94.7,40.27 84.1,40.1 v1(69.19,30.54)
R4: length 74.1
  Top w0.2: v1(87.19,30.54) D14.3
  Bottom w0.2: v1(87.19,30.54) 100.47,37.21 108.32,47.13 119.98,53.58 MCU1.13
RAW: length 264.4
  Top w1: v3(152.03,37.79) v4(150.91,37.72) ; v5(144.67,37.91) 144.91,37.91 ; 134.07,105.79 v4(135.48,106.86) 134.15,107.04 MCU1.24 134.07,105.79
  In2.Cu w1: v2(145.45,38.81) v2(147.73,37.5) ; v2(147.73,37.5) v6(146.22,39.7) v5(144.67,37.91) v2(147.73,37.5) ; v2(147.73,37.5) v4(150.91,37.72) ; v4(150.91,37.72) 151.2,39.84 v4(152.04,40.47) 151.74,38.34 v4(150.91,37.72) ; v4(150.91,37.72) v3(152.03,37.79) 152.03,40.41 154.76,43.13 154.76,101.33 149.96,106.13 138.92,107.69 ; MCU1.24 135.62,108.15 137.44,107.89 ; MCU1.24 134.07,105.79 136.95,107.96 137.44,107.89 ; MCU1.24 135.36,105.61 138.24,107.78 138.92,107.69 ; 138.92,107.69 137.44,107.89
  In3.Cu w1: v2(145.45,38.81) v2(147.73,37.5) ; v2(145.45,38.81) v5(144.67,37.91) v2(146.2,37.7) v2(147.73,37.5) ; v2(145.45,38.81) v6(146.22,39.7) v2(146.92,38.68) v2(147.73,37.5) ; v2(147.73,37.5) v3(152.03,37.79) ; v3(152.03,37.79) 151.62,37.85 151.49,37.76 ; v3(152.03,37.79) 152.03,40.46 v4(152.04,40.47) ; 138.81,107.73 149.94,106.17 154.74,101.37 154.74,43.17 v4(152.04,40.47) ; 138.81,107.73 138.32,107.8 135.4,105.6 MCU1.24 ; 138.81,107.73 136.99,107.99 ; v4(152.04,40.47) 151.2,39.84 v4(150.91,37.72) 151.74,38.34 v4(152.04,40.47) ; 136.99,107.99 137.62,107.9 ; 136.99,107.99 v4(135.48,106.86) ; 137.62,107.9 135.66,108.18 MCU1.24 ; 137.62,107.9 137.03,107.98 134.12,105.79 MCU1.24
  Bottom w1: v4(135.48,106.86) 134.15,107.04 MCU1.24 134.07,105.79 v4(135.48,106.86)
ROLLDN: length 36.6
  Bottom w0.2: v1(132.1,47.54) 130.06,49.58 130.06,66.22 142.48,75.31 MCU1.12
roller: length 43.2
  In2.Cu w0.2: v1(127.77,35.25) 124.83,34.02 v1(84.84,31.52)
ROLLUP: length 40.2
  Top w0.2: MCU1.11 145.47,78.71 147.66,76.52 v1(147.66,58.52)
  Bottom w0.2: v1(135.96,46.51) 137.85,46.51 147.66,56.32 v1(147.66,58.52)
RST: length 12.4
  Top w1: RST1.4 RST1.2 130.16,101.37 MCU1.22
thumb_far_fan: length 56.1
  In2.Cu w0.2: S27.2 130.6,10.37 92.53,17.23 v1(84.84,22.57)
thumb_mid_fan: length 37.7
  In2.Cu w0.2: v1(84.84,24.52) 90.83,19.92 105.87,19.97 118.11,18.32 S26.2
thumb_near_fan: length 18.4
  In2.Cu w0.2: S25.2 v1(84.84,29.57)

## Copper pours and planes (outline as drawn; the poured copper is in the pictures)
5V on Top (solid shape): 148.58,37.89 147.8,38.81 146.48,40.91 146.41,41.83 146.82,41.87 148.51,40.93 148.87,37.75
5V on In2.Cu: -8.07,123.93 166.93,123.93 166.93,-6.07 -8.07,-6.07
5V on In3.Cu: 166.93,123.93 166.93,-6.07 -8.07,-6.07 -8.07,123.93
GND on Top: -8.07,123.93 -8.07,-6.07 166.93,-6.07 166.93,123.93
GND on Bottom: 166.93,123.93 -8.07,123.93 -8.07,-6.07 166.93,-6.07
GND on In1.Cu: 166.93,-6.07 166.93,123.93 -8.07,123.93 -8.07,-6.07
GND on In4.Cu: -8.07,-6.07 -8.07,123.93 166.93,123.93 166.93,-6.07
BOOST_SW on Top (solid shape): 147.92,35.7 146.42,35.9 146.32,34.7 147.92,34.7
RAW on Top (solid shape): 146.56,39.99 147.79,38 147.89,37.28 143.75,37.26 146.15,39.95
